# KiCad board shek-rounded.kicad_pcb (continued)
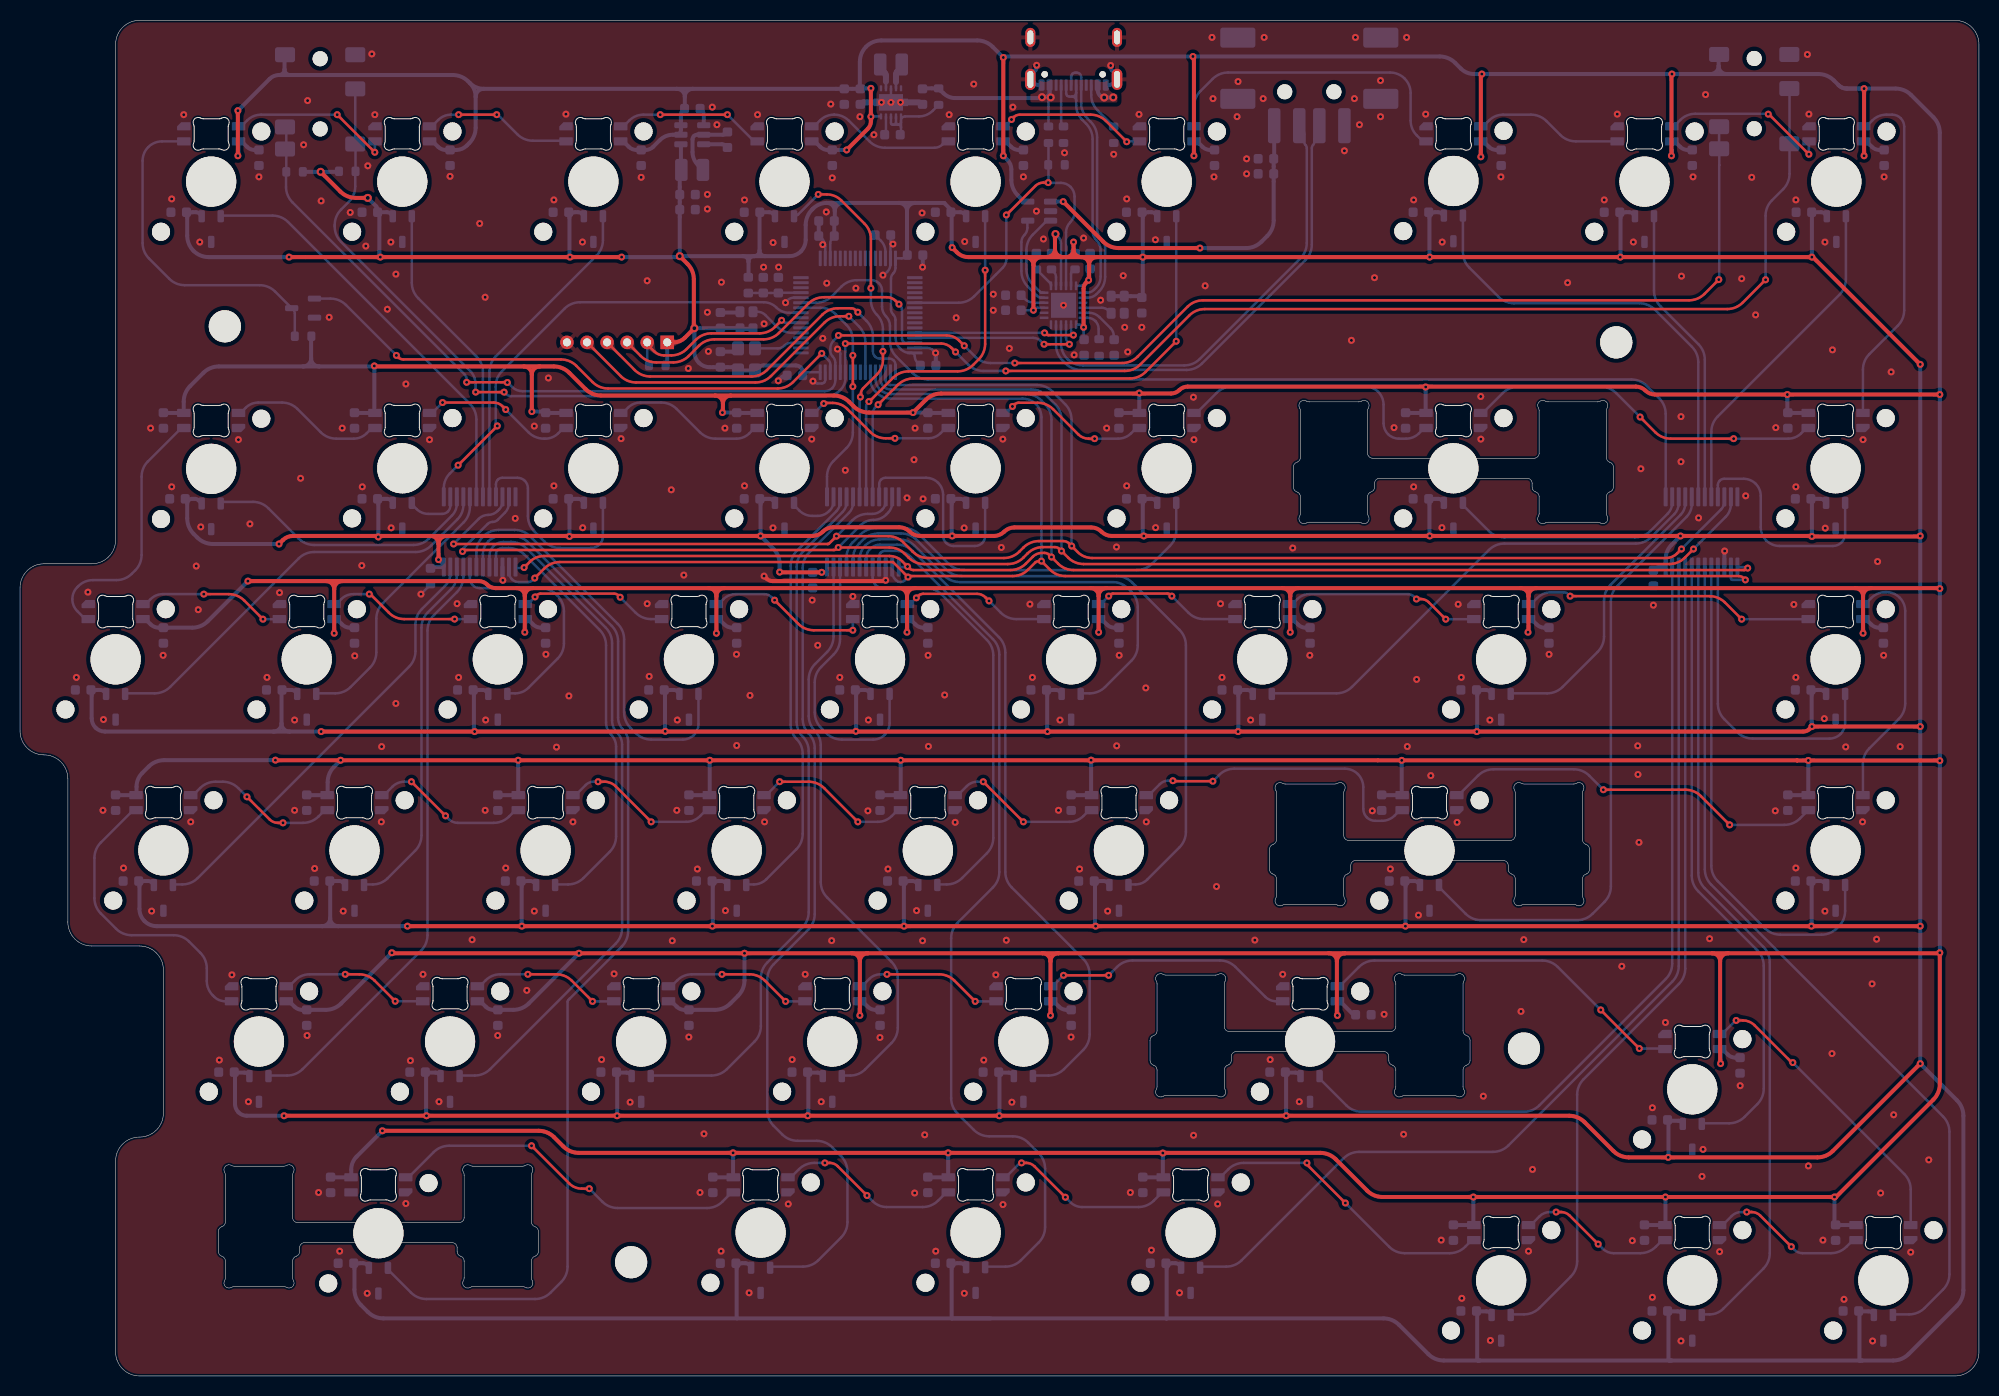
[diagram p0: board, top side]
## Routing (per net, layer and track width the routed paths; a pad name or vN(x,y) marks a point on that pad's centre or on a via; arc(x,y) is an arc through that point) (continued)
Net-(LED41-DOUT): length 30.5
  Top w0.25: v1(176.71,31.24) 176.66,31.24 arc(176.62,31.25) 176.58,31.27 172.89,34.96 arc(172.36,35.31) 171.74,35.44 v1(171.06,35.44)
  Bottom w0.25: v1(176.71,31.24) 187.82,20.13 arc(188.3,19.42) 188.46,18.59 LED42.3 ; 169.41,34.09 169.54,34.09 arc(169.65,34.11) 169.75,34.18 170.99,35.42 arc(171.01,35.43) 171.04,35.44 v1(171.06,35.44)
Net-(LED42-DOUT): length 16.1
  Top w0.25: v1(176.56,12.89) 173.47,15.98 arc(173.07,16.25) 172.61,16.34 v1(172.11,16.34)
  Bottom w0.25: v1(176.56,12.89) 176.89,12.56 arc(177.25,12.32) 177.67,12.24 180.51,12.24 arc(181.34,12.4) 182.05,12.88 182.61,13.43 arc(182.72,13.51) 182.86,13.54 LED42.2 ; v1(172.11,16.34) 171.56,16.34 arc(171.05,16.24) 170.62,15.95 169.82,15.14 arc(169.7,15.07) 169.56,15.04 169.41,15.04
Net-(LED43-DOUT): length 16.1
  Top w0.25: v1(157.31,13.14) 154.47,15.98 arc(154.07,16.25) 153.61,16.34 v1(153.11,16.34)
  Bottom w0.25: LED44.3 150.48,15.04 arc(150.58,15.06) 150.67,15.12 151.45,15.9 arc(151.93,16.22) 152.5,16.34 v1(153.11,16.34) ; v1(157.31,13.14) 157.76,12.69 arc(158.26,12.35) 158.85,12.24 161.51,12.24 arc(162.34,12.4) 163.05,12.88 163.62,13.45 arc(163.72,13.51) 163.84,13.54 LED43.2
Net-(LED44-DOUT): length 30.2
  Top w0.25: v1(132.11,17.24) 128.33,21.02 arc(128.29,21.08) 128.27,21.16 v1(128.27,21.24)
  Bottom w0.25: LED44.2 144.81,13.54 arc(144.72,13.52) 144.64,13.47 144.05,12.88 arc(143.34,12.4) 142.51,12.24 138.01,12.24 arc(137.18,12.4) 136.47,12.88 v1(132.11,17.24) ; v1(128.27,21.24) 121.98,21.24 arc(121.14,21.07) 120.44,20.6 119.72,19.88 arc(119.63,19.82) 119.52,19.8 LED45.3
Net-(LED45-DOUT): length 18.8
  Top w0.25: v1(104.2,17.81) 101.11,20.9 arc(100.74,21.15) 100.3,21.24 v1(99.83,21.24)
  Bottom w0.25: v1(99.83,21.24) 99.75,21.24 arc(99.68,21.22) 99.62,21.18 98.33,19.89 arc(98.23,19.82) 98.11,19.8 LED46.3 ; v1(104.2,17.81) 104.69,17.33 arc(105.23,16.96) 105.86,16.84 111.47,16.84 arc(112.31,17) 113.01,17.48 113.8,18.26 arc(113.84,18.29) 113.9,18.3 LED45.2
Net-(LED46-DOUT): length 18.7
  Top w0.25: v1(80.22,21.24) 80.7,21.24 arc(81.14,21.15) 81.51,20.9 v1(84.42,17.99)
  Bottom w0.25: v1(84.42,17.99) 85,17.41 arc(85.64,16.99) 86.39,16.84 89.97,16.84 arc(90.81,17) 91.51,17.48 92.27,18.23 arc(92.34,18.28) 92.43,18.3 LED46.2 ; LED47.3 76.69,19.8 arc(76.83,19.83) 76.94,19.9 77.64,20.6 arc(78.34,21.07) 79.18,21.24 v1(80.22,21.24)
Net-(LED47-DOUT): length 36.8
  Top w0.25: v1(50.98,22.95) 54.74,19.19 arc(55.32,18.8) 56,18.67 v1(56.74,18.67)
  Bottom w0.25: v1(50.98,22.95) 42.77,22.95 arc(41.93,22.78) 41.23,22.31 38.82,19.9 arc(38.71,19.83) 38.58,19.8 LED48.3 ; v1(56.74,18.67) 58.04,17.38 arc(58.74,16.9) 59.58,16.74 68.47,16.74 arc(69.31,16.9) 70.01,17.38 70.88,18.24 arc(70.94,18.29) 71.02,18.3 LED47.2
Net-(Q1-G): length 57.2
  Top w0.25: v1(37.51,101.74) 37.71,101.54 arc(37.93,101.39) 38.2,101.34 53.91,101.34 arc(54.74,101.17) 55.45,100.7 57.07,99.08 arc(57.78,98.6) 58.61,98.44 75.51,98.44 arc(76.34,98.6) 77.05,99.08 v1(79.91,101.94)
  Bottom w0.25: v1(79.91,101.94) 80.59,101.26 arc(80.72,101.07) 80.76,100.84 U5.62 ; 29.67,107.4 30.95,107.4 arc(31.78,107.23) 32.49,106.76 v1(37.51,101.74)
Net-(U1-CRFILT): length 2.5
  Bottom w0.25: C6.1 100.16,107.36 arc(100.58,107.08) 101.07,106.99 U1.10
Net-(U1-PLLFILT): length 4.5
  Bottom w0.25: 109.01,103.31 109.01,103.73 arc(108.94,104.11) 108.72,104.43 107.59,105.56 arc(107.12,105.88) 106.56,105.99 U1.23
Net-(U1-RBIAS): length 3.2
  Bottom w0.25: 107.51,103.36 107.51,104.38 arc(107.43,104.8) 107.19,105.16 107.19,105.16 arc(106.83,105.4) 106.41,105.49 U1.24
Net-(U1-SMBCLK*CFG_SEL0): length 1.8
  Bottom w0.25: U1.14 103.26,109.54 arc(103.2,109.84) 103.04,110.09 R7.1
Net-(U1-SMBDATA*NON_REM1): length 2.2
  Bottom w0.25: U1.13 102.76,108.77 arc(102.75,108.86) 102.7,108.93 R8.1
Net-(U1-SUSP_IND*LOCAL_PWR*(NON_REM0)): length 1.7
  Bottom w0.25: U1.17 104.76,109.89 arc(104.79,110.05) 104.89,110.19 105.01,110.31
Net-(U3-EN): length 9.4
  Bottom w0.25: 87.11,124.74 86.98,124.74 arc(86.92,124.75) 86.86,124.79 arc(86.83,124.84) 86.81,124.91 U3.8 ; 87.11,124.74 87.51,124.74 ; 87.11,124.74 arc(87.25,124.8) 87.31,124.94 ; 87.31,124.94 87.31,125.56 ; 87.31,124.94 arc(87.37,124.8) 87.51,124.74 ; 87.81,124.99 87.81,124.49 ; 87.81,124.99 87.81,125.15 arc(87.93,125.44) 88.23,125.56 89.6,125.56 arc(90.35,125.71) 90.98,126.14 R9.1 ; 87.81,124.99 arc(87.74,124.81) 87.56,124.74 ; 87.81,124.49 87.81,123.87 arc(87.8,123.82) 87.77,123.78 C12.1 ; 87.81,124.49 arc(87.74,124.66) 87.56,124.74 ; 87.56,124.74 87.51,124.74
Net-(U3-L1): length 3.1
  Bottom w0.25: 87.55,130.14 87.43,130.02 arc(87.34,129.89) 87.31,129.74 ; 87.31,128.98 87.31,128.36
  Bottom w0.4: L1.2 87.89,130.61 arc(87.86,130.49) 87.8,130.39
  Bottom w0.6: 87.31,128.98 87.31,129.74 arc(87.34,129.89) 87.43,130.02 87.8,130.39
Net-(U3-L2): length 3.3
  Bottom w0.25: 86.14,129.97 85.97,130.14 ; 86.31,129.03 U3.2
  Bottom w0.4: L1.1 85.74,130.55 arc(85.77,130.39) 85.87,130.24
  Bottom w0.6: 85.87,130.24 86.14,129.97 ; 86.14,129.97 arc(86.27,129.78) 86.31,129.56 ; 86.14,129.97 arc(86.27,129.78) 86.31,129.56 ; 86.31,129.56 86.31,129.03
Net-(U4-BST): length 2.5
  Bottom w0.4: C13.2 70.35,122.63 arc(70.17,122.75) 69.96,122.79 U4.6
Net-(U4-SW): length 7.5
  Bottom w0.4: 68.39,120.23 68.23,120.23 arc(68.08,120.26) 67.95,120.34 67.55,120.75 arc(67.17,121.32) 67.03,121.99 67.03,123.28 arc(67.07,123.45) 67.17,123.6 arc(67.32,123.7) 67.49,123.74 70.04,123.74 arc(70.22,123.77) 70.38,123.88 C13.1
Net-(U5-VCAP_1): length 2.7
  Bottom w0.25: U5.30 86.26,112.06 arc(86.14,112.66) 85.8,113.17 C25.1
Net-(U5-VDDA): length 5.8
  Bottom w0.25: FB1.1 72.59,107.96 arc(72.6,107.96) 72.61,107.96 75.57,107.96 arc(75.59,107.97) 75.6,107.98 arc(75.61,107.98) 75.63,107.99 78.41,107.99

## Copper pours and planes (outline as drawn; the poured copper is in the pictures)
3V3 on Top: 65.76,103.38 65.63,103.33 65.52,103.3 65.43,103.3 65.34,103.33 65.26,103.36 65.18,103.41 65,103.53 64.91,103.59 64.8,103.65 64.18,103.03 64.81,102.43 64.95,102.5 65.06,102.56 65.54,102.82 65.65,102.87 65.78,102.94 65.94,103.02
3V3 on Bottom: 72.06,100.04 72.2,100.03 72.31,100.02 72.41,100 72.5,99.97 72.57,99.94 72.65,99.9 72.8,99.8 72.9,99.75 73,99.7 73.56,100.24 73,100.78 72.9,100.72 72.8,100.67 72.65,100.58 72.57,100.54 72.5,100.5 72.41,100.48 72.31,100.46 72.2,100.44 72.06,100.44
3V3 on Bottom: 74.31,100.94 74.16,100.93 74.04,100.93 73.93,100.92 73.84,100.9 73.67,100.87 73.59,100.86 73.49,100.85 73.39,100.84 73.26,100.84 73.02,100.06 73.79,99.96 73.83,100.05 73.87,100.13 73.9,100.21 73.93,100.29 73.96,100.36 74,100.42 74.05,100.47 74.12,100.51 74.2,100.53 74.31,100.54
3V3 on Bottom: 72.77,100.44 72.63,100.44 72.52,100.45 72.42,100.48 72.33,100.5 72.25,100.54 72.18,100.58 72.02,100.67 71.93,100.72 71.82,100.78 71.26,100.24 71.82,99.7 71.93,99.75 72.02,99.8 72.18,99.9 72.25,99.94 72.33,99.97 72.42,100 72.52,100.02 72.63,100.03 72.77,100.04
3V3 on Bottom: 92.16,116.61 92.21,116.55 92.26,116.49 92.29,116.44 92.32,116.39 92.33,116.34 92.34,116.29 92.35,116.23 92.35,116.17 92.34,116.04 92.87,115.8 93.09,116.35 93.02,116.41 92.95,116.46 92.72,116.64 92.66,116.69 92.6,116.74 92.52,116.81 92.44,116.89
3V3 on Bottom: 70.44,100.36 70.56,100.36 70.65,100.34 70.72,100.31 70.79,100.26 70.84,100.21 70.89,100.15 70.94,100.09 70.98,100.02 71.04,99.94 71.1,99.86 71.83,100.11 71.56,100.84 71.42,100.83 71.31,100.83 71.21,100.82 70.94,100.79 70.84,100.78 70.73,100.77 70.6,100.76 70.44,100.76
3V3 on Bottom: 65.96,118.99 65.96,119.12 65.98,119.23 66,119.32 66.04,119.4 66.08,119.47 66.13,119.53 66.18,119.6 66.32,119.74 66.39,119.82 66,120.53 65.3,120.11 65.33,119.97 65.37,119.86 65.4,119.76 65.47,119.58 65.5,119.49 65.52,119.39 65.54,119.28 65.55,119.15 65.56,118.99
3V3 on Bottom: 65.67,121.48 65.67,121.34 65.66,121.21 65.63,121.11 65.61,121.01 65.57,120.93 65.53,120.85 65.44,120.68 65.39,120.58 65.34,120.46 65.94,119.92 66.46,120.54 66.4,120.64 66.34,120.73 66.28,120.81 66.23,120.89 66.19,120.96 66.15,121.04 66.12,121.13 66.09,121.23 66.08,121.34 66.08,121.48
3V3 on Bottom: 64.71,101.69 64.72,101.85 64.73,101.98 64.76,102.09 64.8,102.18 64.84,102.27 64.89,102.35 65,102.52 65.06,102.62 65.12,102.74 64.51,103.38 63.91,102.74 63.97,102.62 64.03,102.52 64.14,102.35 64.19,102.27 64.23,102.18 64.26,102.09 64.29,101.98 64.31,101.85 64.31,101.69
3V3 on Bottom: 163.8,80.95 163.71,80.84 163.62,80.77 163.53,80.72 163.43,80.71 163.33,80.71 163.22,80.72 163.12,80.74 163,80.76 162.88,80.77 162.75,80.76 162.62,80.19 163.2,80.08 163.28,80.19 163.36,80.26 163.45,80.31 163.54,80.35 163.64,80.38 163.74,80.41 163.84,80.46 163.94,80.52 164.04,80.61 164.13,80.74
5V on Bottom: 132.26,36.38 132.34,36.3 132.4,36.22 132.46,36.16 132.51,36.1 132.55,36.04 132.67,35.87 132.72,35.8 132.78,35.73 133.33,35.91 133.12,36.46 132.99,36.46 132.93,36.46 132.87,36.47 132.82,36.48 132.77,36.5 132.71,36.52 132.66,36.56 132.6,36.6 132.54,36.66
5V on Bottom: 43.86,122.48 43.75,122.45 43.66,122.43 43.57,122.43 43.5,122.43 43.43,122.45 43.36,122.47 43.29,122.5 43.14,122.58 43.06,122.62 42.64,122.22 43.06,121.81 43.16,121.86 43.25,121.9 43.33,121.92 43.4,121.95 43.48,121.97 43.65,122 43.74,122.03 43.85,122.06 43.98,122.1
5V on Bottom: 32.86,21.03 32.83,20.88 32.81,20.76 32.8,20.65 32.78,20.46 32.77,20.37 32.75,20.29 32.72,20.2 32.69,20.1 32.63,20 32.98,19.6 33.37,19.96 33.33,20.06 33.29,20.16 33.26,20.24 33.23,20.32 33.21,20.41 33.2,20.49 33.2,20.58 33.21,20.69 33.23,20.8 33.25,20.94
5V on Bottom: 26.56,130.24 26.57,130.4 26.59,130.53 26.62,130.65 26.66,130.75 26.7,130.84 26.76,130.92 26.82,131.01 26.89,131.09 26.97,131.19 27.04,131.31 26.44,132.09 25.73,131.39 25.8,131.26 25.86,131.15 25.98,130.96 26.03,130.87 26.07,130.78 26.11,130.67 26.14,130.55 26.16,130.41 26.16,130.24
5V on Bottom: 81.66,127.79 81.66,128.79 85.96,128.74 85.96,127.79
5V on Bottom: 169.51,130.59 169.52,130.67 169.53,130.75 169.55,130.81 169.57,130.88 169.6,130.93 169.63,130.98 169.67,131.02 169.7,131.06 169.74,131.08 169.77,131.11 169.39,132.11 168.87,131.17 168.91,131.14 168.94,131.1 168.97,131.06 169,131.01 169.03,130.96 169.06,130.9 169.08,130.83 169.1,130.76 169.11,130.68 169.11,130.59
/VBUS2 on Bottom: 125.21,123.39 125.22,123.54 125.23,123.65 125.25,123.76 125.28,123.84 125.32,123.92 125.36,124 125.46,124.16 125.52,124.26 125.58,124.37 125.01,124.95 124.45,124.37 124.51,124.26 124.56,124.16 124.66,124 124.7,123.92 124.74,123.84 124.77,123.76 124.79,123.65 124.81,123.54 124.81,123.39
GND on Top, Bottom: -13.89,149.79 226.61,149.94 220.11,-19.86 -20.04,-8.96
VBUS on Top: 100.7,129.23 109.37,129.21 109.38,126.95 100.72,126.96
VBUS on Bottom: 92.06,128.79 87.66,128.79 87.66,127.84 92.06,127.79
DN2_D+ on Bottom: 129.14,123.27 129.16,123.44 129.2,123.58 129.27,123.68 129.34,123.76 129.43,123.83 129.54,123.89 129.64,123.95 129.76,124.03 129.87,124.11 129.98,124.22 129.6,124.94 128.9,124.53 128.92,124.38 128.94,124.25 128.94,124.14 128.95,124.04 128.94,123.94 128.93,123.84 128.91,123.6 128.9,123.46 128.89,123.29
DN2_D- on Bottom: 128.14,123.54 128.14,124.64 127.33,124.89 127.21,124.09 127.31,124.04 127.41,124 127.59,123.94 127.68,123.91 127.75,123.87 127.81,123.82 127.85,123.75 127.88,123.66 127.89,123.54
NRST on Top: 63.82,101.91 63.63,101.99 63.49,102.09 63.4,102.2 63.34,102.32 63.3,102.46 63.28,102.61 63.26,102.78 63.24,102.95 63.2,103.13 63.13,103.31 62.26,103.26 62.34,102.38 62.53,102.33 62.67,102.27 62.8,102.2 62.91,102.13 63.12,101.97 63.24,101.9 63.38,101.82 63.55,101.75 63.75,101.68
NRST on Bottom: 62.64,101.69 62.65,101.85 62.67,101.98 62.7,102.09 62.74,102.18 62.8,102.26 62.85,102.34 62.92,102.42 62.98,102.51 63.05,102.62 63.12,102.74 62.51,103.38 61.91,102.74 61.97,102.62 62.04,102.51 62.11,102.42 62.17,102.34 62.23,102.26 62.28,102.18 62.33,102.09 62.36,101.98 62.38,101.85 62.39,101.69
OSC32 on Bottom: 74.45,102.56 74.31,102.57 74.2,102.59 74.1,102.62 74.02,102.65 73.95,102.7 73.88,102.75 73.8,102.8 73.73,102.86 73.63,102.92 73.52,102.98 72.96,102.44 73.52,101.9 73.63,101.96 73.73,102.02 73.8,102.07 73.88,102.13 73.95,102.18 74.02,102.22 74.1,102.26 74.2,102.29 74.31,102.31 74.45,102.31
SCL on Bottom: 169.49,123.05 169.5,123.22 169.52,123.37 169.56,123.49 169.61,123.59 169.67,123.68 169.74,123.77 169.81,123.86 169.89,123.96 169.96,124.07 170.04,124.21 169.36,124.91 168.69,124.21 168.76,124.07 168.84,123.96 168.92,123.86 168.99,123.77 169.06,123.68 169.11,123.59 169.17,123.49 169.2,123.37 169.23,123.22 169.24,123.05
SCL on Bottom: 26.41,123.81 26.4,123.64 26.38,123.5 26.34,123.39 26.29,123.3 26.22,123.21 26.15,123.13 26.07,123.05 25.98,122.97 25.89,122.87 25.8,122.75 26.35,121.94 27.13,122.52 27.08,122.68 27.02,122.81 26.96,122.93 26.83,123.12 26.78,123.23 26.73,123.34 26.7,123.47 26.67,123.62 26.66,123.81
SCL on Bottom: 169.24,123.83 169.23,123.65 169.2,123.51 169.17,123.39 169.11,123.29 169.06,123.2 168.99,123.11 168.92,123.02 168.84,122.92 168.76,122.8 168.69,122.66 169.36,121.96 170.04,122.66 169.96,122.8 169.89,122.92 169.81,123.02 169.74,123.11 169.67,123.2 169.61,123.29 169.56,123.39 169.52,123.51 169.5,123.65 169.49,123.83
SCL on Bottom: 169.51,121.42 169.52,121.53 169.55,121.62 169.61,121.69 169.67,121.74 169.74,121.78 169.82,121.82 169.89,121.87 169.96,121.92 170.02,122 170.07,122.09 169.32,122.71 168.73,121.93 168.79,121.86 168.85,121.81 168.92,121.77 168.99,121.74 169.06,121.71 169.12,121.68 169.18,121.64 169.22,121.59 169.25,121.51 169.26,121.42
SCL on Bottom: 26.66,120.82 26.67,121.01 26.7,121.16 26.73,121.29 26.78,121.4 26.83,121.5 26.96,121.7 27.02,121.81 27.08,121.94 27.13,122.1 26.35,122.68 25.8,121.88 25.89,121.76 25.98,121.66 26.07,121.57 26.15,121.49 26.22,121.41 26.29,121.33 26.34,121.23 26.38,121.12 26.4,120.99 26.41,120.82
SCL on Bottom: 26.66,123.02 26.67,123.21 26.7,123.36 26.73,123.49 26.78,123.6 26.83,123.7 26.96,123.9 27.02,124.01 27.08,124.14 27.13,124.3 26.35,124.88 25.8,124.08 25.89,123.96 25.98,123.86 26.07,123.77 26.15,123.69 26.22,123.61 26.29,123.53 26.34,123.43 26.38,123.32 26.4,123.19 26.41,123.02
SDA on Bottom: 33.56,121.31 33.57,121.49 33.6,121.64 33.63,121.76 33.68,121.86 33.74,121.96 33.81,122.05 33.88,122.14 33.95,122.24 34.03,122.36 34.1,122.51 33.4,123.19 32.75,122.46 32.83,122.33 32.91,122.21 32.99,122.12 33.06,122.03 33.13,121.94 33.19,121.85 33.24,121.75 33.28,121.63 33.3,121.48 33.31,121.31
SDA on Bottom: 33.54,126.82 33.55,127 33.57,127.14 33.61,127.26 33.66,127.36 33.72,127.45 33.79,127.54 33.86,127.63 33.94,127.73 34.01,127.85 34.09,127.99 33.41,128.69 32.74,127.99 32.81,127.85 32.89,127.73 32.97,127.63 33.04,127.54 33.11,127.45 33.16,127.36 33.22,127.26 33.25,127.14 33.28,127 33.29,126.82
SDA on Bottom: 33.29,124.32 33.28,124.14 33.25,124 33.22,123.88 33.17,123.77 33.11,123.68 33.04,123.59 32.97,123.5 32.89,123.4 32.81,123.28 32.74,123.14 33.41,122.44 34.09,123.14 34.01,123.28 33.93,123.4 33.86,123.5 33.79,123.59 33.72,123.68 33.66,123.77 33.61,123.88 33.57,124 33.55,124.14 33.54,124.32
SDA on Bottom: 176.51,126.83 176.52,127.01 176.54,127.16 176.58,127.28 176.63,127.39 176.69,127.48 176.75,127.57 176.82,127.66 176.9,127.77 176.97,127.89 177.05,128.03 176.35,128.71 175.7,127.99 175.78,127.86 175.85,127.74 175.93,127.64 176.01,127.55 176.07,127.47 176.14,127.37 176.19,127.27 176.22,127.15 176.25,127.01 176.26,126.83
SWCLK on Top: 59.55,102.17 59.45,102.29 59.37,102.4 59.32,102.5 59.28,102.6 59.26,102.69 59.25,102.79 59.23,102.89 59.22,103 59.19,103.12 59.15,103.26 58.27,103.28 58.29,102.4 58.43,102.36 58.55,102.33 58.66,102.32 58.76,102.3 58.86,102.29 58.95,102.27 59.05,102.23 59.15,102.18 59.26,102.1 59.38,102
SWDIO on Top: 61.55,102.17 61.45,102.29 61.37,102.4 61.32,102.5 61.28,102.6 61.26,102.69 61.25,102.79 61.23,102.89 61.22,103 61.19,103.12 61.15,103.26 60.27,103.28 60.29,102.4 60.43,102.36 60.55,102.33 60.66,102.32 60.76,102.3 60.86,102.29 60.95,102.27 61.05,102.23 61.15,102.18 61.26,102.1 61.38,102
SWO on Top: 57.55,102.17 57.45,102.29 57.37,102.4 57.32,102.5 57.28,102.6 57.26,102.69 57.25,102.79 57.23,102.89 57.22,103 57.19,103.12 57.15,103.26 56.27,103.28 56.29,102.4 56.43,102.36 56.55,102.33 56.66,102.32 56.76,102.3 56.86,102.29 56.95,102.27 57.05,102.23 57.15,102.18 57.26,102.1 57.38,102
Net-(LED4-DOUT) on Bottom: 91.64,122.41 91.75,122.46 91.84,122.51 92,122.59 92.06,122.63 92.13,122.65 92.2,122.67 92.27,122.68 92.36,122.68 92.46,122.67 92.72,123.13 92.25,123.38 92.16,123.29 92.1,123.21 92.04,123.13 91.95,122.97 91.9,122.9 91.84,122.83 91.77,122.77 91.67,122.7 91.54,122.64
Net-(U3-L2) on Bottom: 86.35,130.18 86.33,130.21 86.31,130.24 86.29,130.27 86.28,130.3 86.29,130.44 85.63,131.03 85.52,130.15 85.55,130.14 85.58,130.12 85.61,130.09 85.87,129.81 85.93,129.75
Net-(U4-SW) on Bottom: 67.01,121.17 67.08,121.02 67.14,120.88 67.19,120.77 67.24,120.67 67.28,120.57 67.31,120.48 67.35,120.38 67.39,120.28 67.48,120.02 68.29,120.01 68.27,120.82 68.15,120.86 68.04,120.88 67.94,120.91 67.84,120.93 67.75,120.96 67.67,120.99 67.59,121.05 67.51,121.12 67.44,121.21 67.38,121.34
Net-(U5-VCAP_1) on Bottom: 86.18,112.87 86.1,113.01 86.04,113.13 85.93,113.31 85.88,113.39 85.84,113.47 85.79,113.56 85.75,113.65 85.71,113.76 85.66,113.89 85.08,113.9 85.09,113.31 85.21,113.27 85.42,113.21 85.51,113.18 85.59,113.15 85.67,113.1 85.74,113.05 85.82,112.97 85.89,112.88 85.96,112.75

Small or netless copper shapes (teardrops, artwork), in the pictures only: 292 on Top, 800 on Bottom

## Text on the board
B.Silkscreen: GND | SWO | SWCLK | SWDIO | NRST | VCC
